# Altium PCB SPEC-A7.PcbDoc (part 8 of 10) (continued)
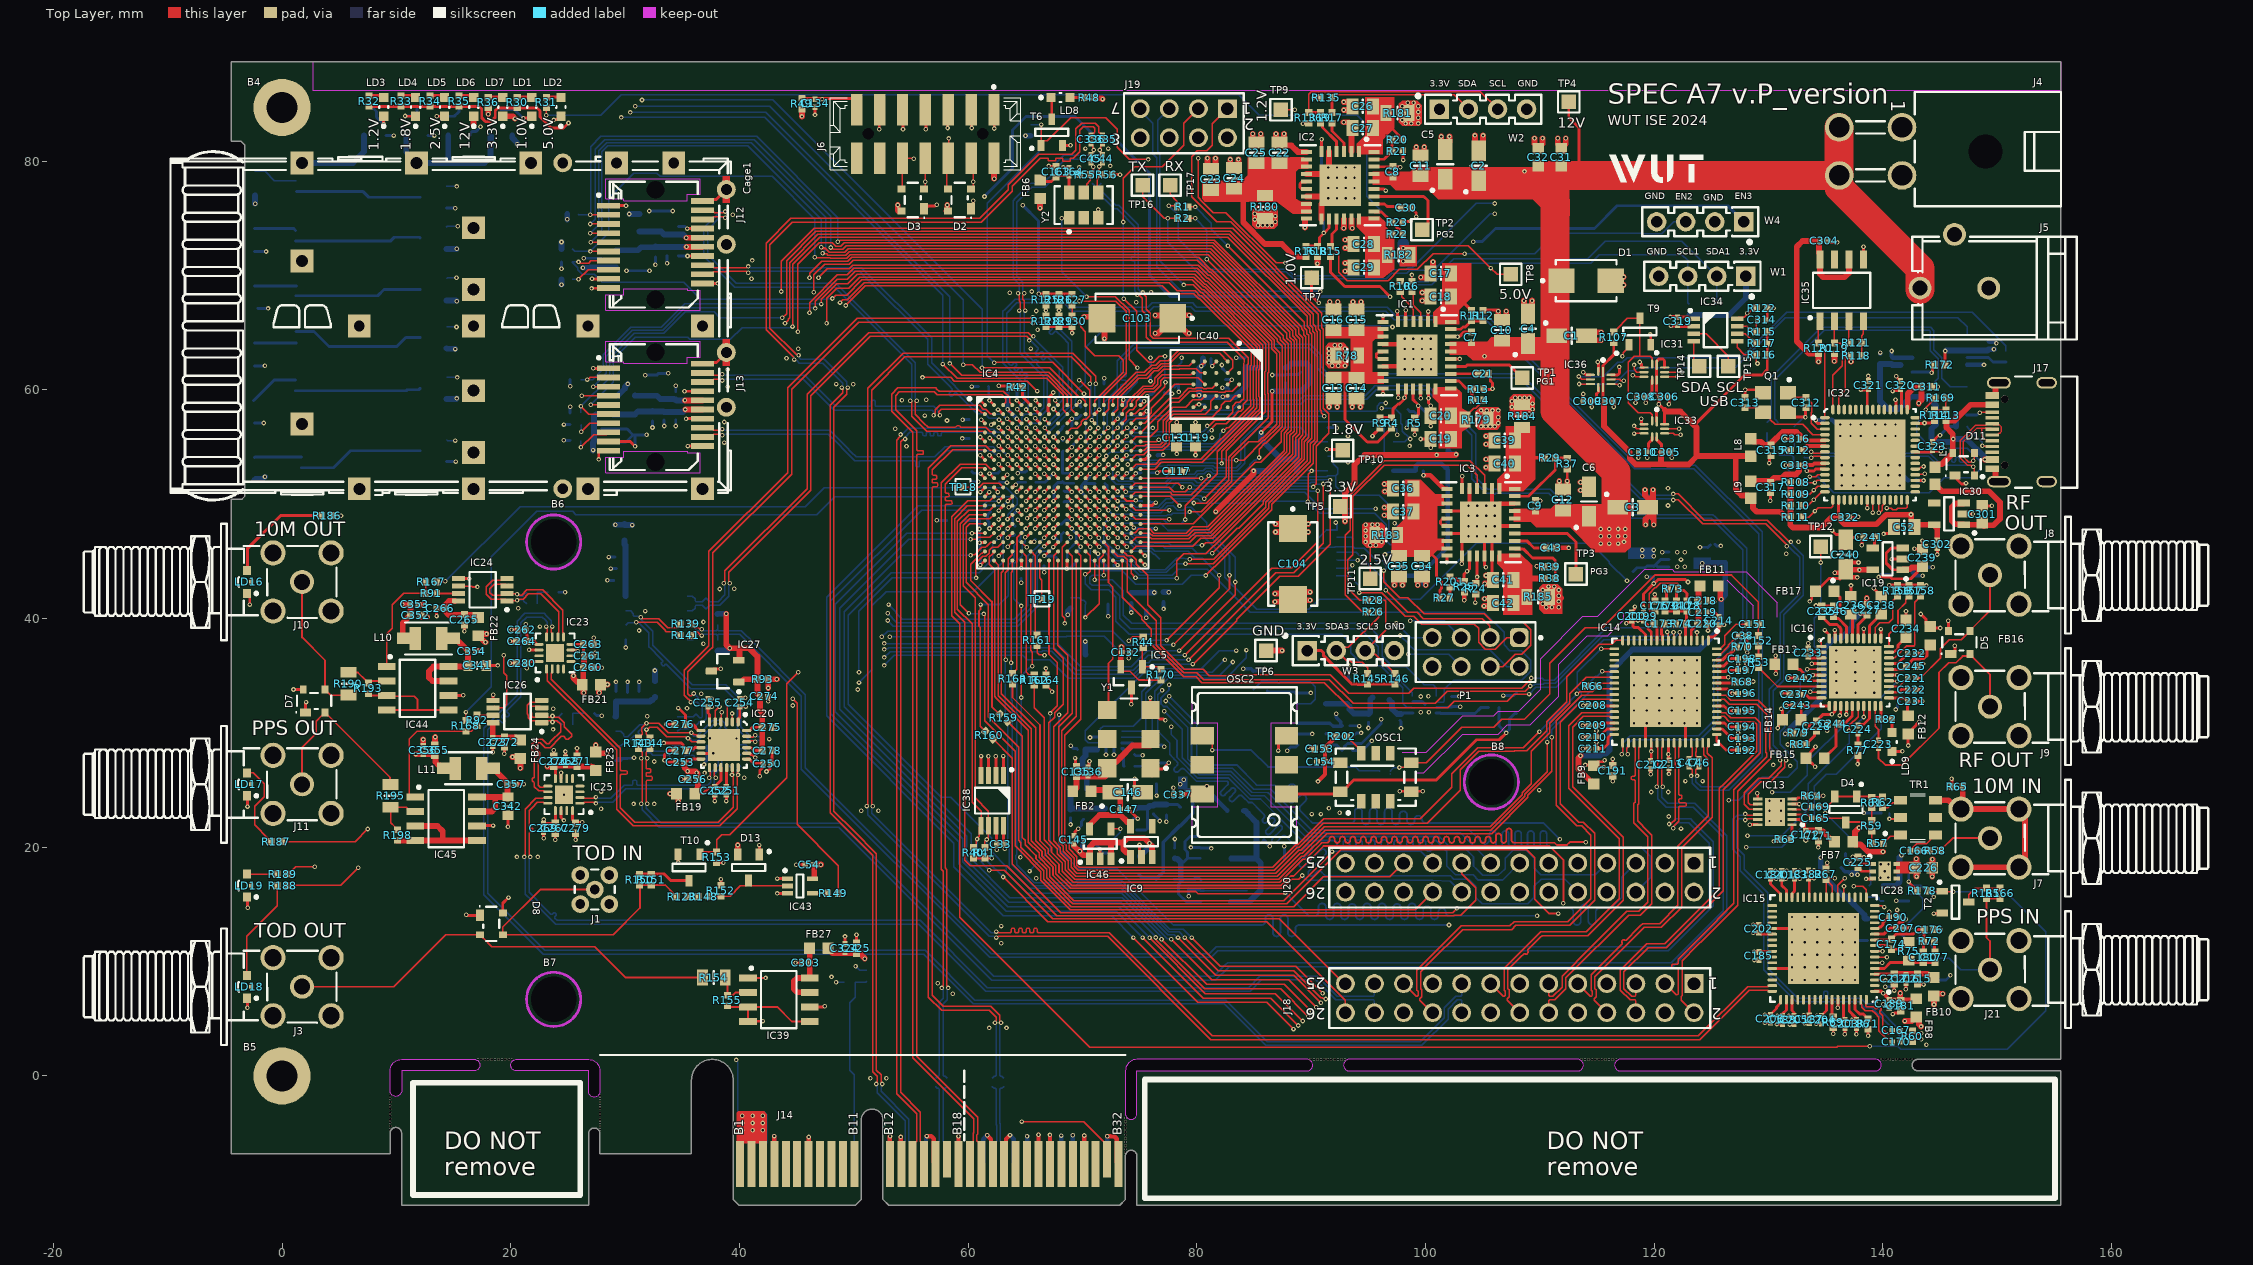
[diagram p0: Top Layer view]
## Nets (pads, with @x,y where several pads share a name; then routed paths per layer and width w, separated by ;. In a path a pad name is that pad's centre, name@x,y a point inside that pad or via, vN(x,y) a via of type N, cw(c..) or ccw(c..) an arc to the next point about the centre after c; other vN are vias at no path point) (continued)
  Bottom Layer w0.127: v1(54.478,55.705) 54.53,55.757 54.53,55.915 54.908,56.293 55.562,56.293 55.953,56.293 56.027,56.219 56.027,56.037 56.093,55.971 56.289,55.971 56.354,56.037 56.354,56.228 56.42,56.293 56.616,56.293 56.681,56.228 56.681,56.037 56.747,55.971 56.943,55.971 57.008,56.037 57.008,56.228 57.074,56.293 57.27,56.293 57.335,56.228 57.335,56.047 57.401,55.982 57.597,55.982 57.662,56.047 57.662,56.219 57.737,56.293 58.163,56.293 61.602,56.293 61.689,56.206 62.111,56.206 62.354,55.963 62.453,55.963 62.488,55.928 62.612,55.928 v1(62.664,55.876)
PCIe_PER0_P: IC4.E4 J14.B14 | length 75.3
  Top Layer w0.127: v1(54.086,56.096) 54.034,56.044 54.034,55.886 53.757,55.609 53.757,-1.573 55.485,-3.3 55.485,-5.715 55.15,-6.05 J14.B14@55.15,-7.7 ; v1(63.464,55.876) IC4.E4@63.864,55.476
  Bottom Layer w0.127: v1(54.086,56.096) 54.138,56.149 54.297,56.149 54.771,56.623 61.739,56.623 61.826,56.536 62.248,56.536 62.491,56.293 62.978,56.293 63.395,55.876 v1(63.464,55.876)
PCIe_PER1_N: IC4.A3 J14.B20 | length 82
  Top Layer w0.127: J14.B20@61.15,-7.7 61.15,-6.05 60.759,-5.659 60.759,-5.152 60.815,-5.097 60.815,-3.592 55.494,1.73 55.494,53.9 55.494,54.291 55.568,54.365 56.012,54.365 56.077,54.43 56.077,54.627 56.012,54.692 55.568,54.692 55.494,54.766 55.494,55.8 55.494,56.426 53.65,58.27 53.65,59.5 53.99,59.841 57.038,59.841 57.313,59.566 62.935,59.566 63.299,59.203 63.299,58.911 IC4.A3@63.064,58.676
PCIe_PER1_P: IC4.A4 J14.B19 | length 82.1
  Top Layer w0.127: J14.B19@60.15,-7.7 60.429,-7.421 60.429,-5.016 60.485,-4.96 60.485,-3.728 55.164,1.593 55.164,56.289 53.32,58.133 53.32,59.637 53.854,60.171 57.175,60.171 57.272,60.074 57.45,59.896 63.072,59.896 63.629,59.34 63.629,58.911 IC4.A4@63.864,58.676
PCIe_PET0_N: C51.2 J14.A17 | length 7.1
  Bottom Layer w0.127: J14.A17@58.15,-7.7 58.15,-6.05 57.815,-5.715 57.815,-4.544 57.818,-4.541 57.818,-1.165 57.892,-1.091 57.999,-1.091 58.161,-0.93 C51.2@58.161,-0.906
PCIe_PET0_P: C49.2 J14.A16 | length 7.1
  Bottom Layer w0.127: C49.2@57.145,-0.906 57.145,-0.93 57.306,-1.091 57.413,-1.091 57.488,-1.165 57.488,-4.404 57.485,-4.407 57.485,-5.715 57.15,-6.05 J14.A16@57.15,-7.7
PCIe_PET1_N: C55.2 J14.A22 | length 7.2
  Bottom Layer w0.127: C55.2@63.114,-0.906 63.114,-0.93 62.952,-1.091 62.845,-1.091 62.771,-1.165 62.771,-4.124 62.815,-4.168 62.815,-5.715 63.15,-6.049 J14.A22@63.15,-7.699
PCIe_PET1_P: C53.2 J14.A21 | length 7.2
  Bottom Layer w0.127: C53.2@62.098,-0.906 62.098,-0.93 62.259,-1.091 62.366,-1.091 62.441,-1.165 62.441,-4.261 62.485,-4.305 62.485,-5.715 62.15,-6.05 J14.A21@62.15,-7.7
PCIe_REFCLK_N: C336.1 J14.A14 | length 123.7
  Top Layer w0.127: v3@44.978,63.072 44.95,63.1 42.65,65.4 42.65,72.7 44.62,74.67 61.153,74.67 63.853,77.37 63.853,77.803 66.32,80.27 67.018,80.27 67.018,80.023 67.653,80.023 67.653,80.27 68.288,80.27 68.288,79.999 68.923,79.999 68.923,80.27 69.187,80.27 69.75,80.833 69.75,82.7 70.05,83 70.958,83 71.085,82.873 71.085,82.827 71.085,82.511 71.01,82.436 70.911,82.436 70.75,82.275 C336.1@70.75,82.25 ; v3(49.478,60.2) 49.478,60.198 49.38,60.1 49.38,59.63 48.25,58.5 48.25,23.167 49.983,21.433 51.98,19.437 51.98,0.522 52.38,0.122 52.38,-0.528 52.478,-0.626 v3(52.478,-0.7)
  Bottom Layer w0.127: v3(45.169,63.02) 45.222,62.967 45.222,62.828 45.376,62.674 47.433,62.674 49.38,60.727 49.38,60.372 49.478,60.274 v3(49.478,60.2) ; v3(52.478,-0.7) 52.478,-0.774 52.38,-0.872 52.38,-1.328 54.815,-3.763 54.815,-5.715 55.15,-6.05 J14.A14@55.15,-7.7
PCIe_REFCLK_P: C335.1 J14.A13 | length 123.8
  Top Layer w0.127: v3@44.745,62.838 42.32,65.263 42.32,72.837 44.483,75 61.016,75 63.523,77.507 63.523,77.94 66.183,80.6 69.05,80.6 69.42,80.97 69.42,82.837 69.913,83.33 71.094,83.33 71.415,83.01 71.415,82.691 71.415,82.511 71.489,82.436 71.588,82.436 71.75,82.275 C335.1@71.75,82.25 ; v3(48.951,60.2) 48.951,60.198 49.05,60.1 49.05,59.767 47.92,58.637 47.92,23.03 49.633,21.317 51.65,19.3 51.65,0.385 52.05,-0.015 52.05,-0.528 51.951,-0.626 v3(51.951,-0.7)
  Bottom Layer w0.127: v3(44.797,62.647) 44.849,62.595 44.988,62.595 45.239,62.344 47.297,62.344 49.05,60.591 49.05,60.372 48.951,60.274 v3(48.951,60.2) ; v3(51.951,-0.7) 51.951,-0.774 52.05,-0.872 52.05,-1.465 54.485,-3.9 54.485,-5.715 54.15,-6.05 J14.A13@54.15,-7.7
PCIe_RST: IC4.R6 R204.1 | length 49.6
  Top Layer w0.127: v1(64.638,33.099) 64.634,33.103 64.634,41.089 v1(64.648,41.104)
  Top Layer w0.254: v1(64.995,47.099) 65.023,47.127 65.109,47.127 65.458,47.476 IC4.R6@65.464,47.476
  L4 w0.127: v1(50.15,9.603) 50.224,9.603 50.443,9.823 51.172,9.823 51.65,10.3 56.95,10.3 64.638,17.988 64.638,18.908 64.621,18.925 64.621,19.066 v1(64.568,19.119)
  Bottom Layer w0.127: v1(50.15,9.603) 50.513,9.24 R204.1@51.15,9.24 ; v1(64.568,19.119) 64.621,19.171 64.621,19.312 64.638,19.33 v1(64.638,33.099) ; v1(64.648,41.104) 64.634,41.104 64.003,41.735 64.003,44.783 64.718,45.498 64.718,46.432 64.995,46.709 v1(64.995,47.099)
PCIe_RSTr: J14.A11 R104.2 R204.2 | length 17.3
  Bottom Layer w0.127: J14.A11@50.05,-7.7 50.05,0.118 49.649,0.519 49.649,6.4 50.122,6.872 R104.2@50.122,8.207 51.056,8.207 R204.2@51.15,8.3
PET0_N: C51.1 IC4.H1 | length 58.1
  Top Layer w0.127: v1(58.25,7.7) 58.25,7.774 58.138,7.886 58.138,18.053 57.996,18.195 57.996,49.523 57.996,49.913 58.069,49.989 58.522,49.993 58.586,50.06 58.584,50.256 58.518,50.32 58.065,50.315 57.998,50.38 57.996,50.576 58.061,50.642 58.259,50.645 58.324,50.711 58.322,50.907 58.256,50.972 58.071,50.97 57.996,51.043 57.996,51.407 57.996,51.75 59.425,53.18 61.299,53.18 61.403,53.076 IC4.H1@61.464,53.076
  Bottom Layer w0.127: C51.1@58.161,-0.206 58.161,-0.181 57.999,-0.02 57.892,-0.02 57.818,0.055 57.818,6.324 58.157,6.663 58.157,7.533 58.25,7.626 v1(58.25,7.7)
PET0_P: C49.1 IC4.H2 | length 58
  Top Layer w0.127: v1(57.696,7.7) 57.696,7.774 57.808,7.886 57.808,17.916 57.665,18.058 57.665,51.887 59.289,53.51 61.546,53.51 61.938,53.118 62.221,53.118 IC4.H2@62.264,53.076
  Bottom Layer w0.127: C49.1@57.145,-0.206 57.145,-0.181 57.306,-0.02 57.413,-0.02 57.488,0.055 57.488,6.461 57.827,6.8 57.827,7.495 57.696,7.626 v1(57.696,7.7)
PET1_N: C55.1 IC4.F1 | length 65
  Top Layer w0.127: IC4.F1@61.464,54.676 61.403,54.676 61.299,54.78 58.633,54.78 56.857,53.004 56.857,52.7 56.857,52.589 56.931,52.515 57.174,52.515 57.239,52.45 57.239,52.254 57.174,52.188 56.923,52.188 56.857,52.123 56.857,51.927 56.923,51.861 57.279,51.861 57.344,51.796 57.344,51.6 57.279,51.534 56.931,51.534 56.857,51.46 56.857,51.069 56.857,7.041 57.818,6.081 61.981,6.081 62.771,5.29 62.771,4.823 62.869,4.725 v1(62.869,4.651)
  Bottom Layer w0.127: v1@62.771,4.478 62.771,0.055 62.845,-0.02 62.952,-0.02 63.114,-0.181 C55.1@63.114,-0.206
PET1_P: C53.1 IC4.F2 | length 65
  Top Layer w0.127: IC4.F2@62.264,54.676 62.221,54.718 61.938,54.718 61.546,55.11 58.496,55.11 56.527,53.141 56.527,6.904 57.681,5.751 61.844,5.751 62.441,5.154 62.441,4.823 62.342,4.725 v1(62.342,4.651)
  Bottom Layer w0.127: C53.1@62.098,-0.206 62.098,-0.181 62.259,-0.02 62.366,-0.02 62.441,0.055 v1@62.441,4.478
PG1: IC1.26 TP1.1 | length 6.8
  Top Layer w0.254: IC1.26@102.203,62.054 103.524,62.054 103.644,62.174 107.318,62.174 TP1.1@108.453,61.039
PG2: IC2.26 TP2.1 | length 7.6
  Top Layer w0.254: IC2.26@95.499,76.915 99.832,76.915 100.198,76.549 100.198,74.517 TP2.1@99.69,74.009
PG3: IC3.26 TP3.1 | length 8.5
  Top Layer w0.254: IC3.26@107.791,47.449 112.391,47.449 113.152,46.688 TP3.1@113.152,43.894
PLL_CS: IC4.V9 IC14.17 | length 88.6
  Top Layer w0.127: IC4.V9@67.864,45.076 67.816,45.028 67.816,37.677 68.702,36.791 68.702,31.776 67.461,30.535 67.461,20.57 68.057,19.974 68.057,19.534 68.749,18.842 68.749,18.127 69.403,17.473 87.044,17.473 89.044,19.473 89.215,19.473 91.242,21.5 105.707,21.5 108.69,24.482 108.69,24.651 110.65,26.611 v1(110.65,29.2) ; v1(115.353,37.359) IC14.17@116.508,37.358
  Bottom Layer w0.127: v1(110.65,29.2) 110.65,30.268 113.626,33.244 113.626,33.576 113.282,33.92 113.282,35.288 v1(115.353,37.359)
PLL_LOCK: IC4.U16 IC14.3 | length 62.1
  Top Layer w0.127: IC4.U16@73.464,45.876 73.524,45.876 73.705,45.695 73.72,45.695 73.92,45.495 74.361,45.495 74.698,45.158 74.698,44.755 75.687,43.767 75.687,41.227 76.85,40.064 76.85,37.618 78.914,35.554 80.54,35.554 81.085,35.01 82.712,35.01 82.802,35.1 91.65,35.1 93.288,33.462 98.513,33.462 98.959,33.908 108.406,33.908 109.25,34.752 v1(109.25,34.8) ; IC14.3@123.734,38.083 v1(123.734,38.79)
  Bottom Layer w0.127: v1(109.25,34.8) 110.197,34.8 110.374,34.623 111.247,34.623 115.817,39.193 119.554,39.193 119.574,39.213 123.311,39.213 v1(123.734,38.79)
PLL_REFSEL: IC4.U15 IC14.7 | length 60.8
  Top Layer w0.127: IC4.U15@72.664,45.876 73.098,45.441 73.615,45.441 73.898,45.158 73.898,42.347 76.45,39.795 76.45,37.659 78.862,35.247 80.003,35.247 80.596,34.654 91.596,34.654 93.659,32.591 100.84,32.591 101.904,33.654 108.704,33.654 v1(109.15,34.1) ; v1@121.68,38.856 v1(121.68,38.802) 121.71,38.772 121.71,38.106 IC14.7@121.734,38.083
  Bottom Layer w0.127: v1(109.15,34.1) 109.202,34.152 109.443,34.152 109.532,34.242 110.306,34.242 110.392,34.327 111.332,34.327 115.437,38.432 121.31,38.432 v1(121.68,38.802)
PLL_RESET: IC4.U11 IC14.23 IC14.24 R66.2 | length 84.7
  Top Layer w0.127: IC4.U11@69.464,45.876 69.835,45.504 69.835,43.886 69.826,43.877 69.826,43.553 69.835,43.544 69.835,31.184 68.457,29.806 68.457,20.651 68.819,20.29 68.819,19.85 69.511,19.158 69.511,18.442 69.718,18.235 86.656,18.235 88.656,20.235 88.839,20.235 91.104,22.5 99.55,22.5 102.3,25.25 102.3,26.45 104.55,28.7 108.557,28.7 v1(109.953,30.097) ; v1(113.235,33.415) 113.309,33.415 113.479,33.585 114.497,33.585 114.588,33.585 114.973,33.971 R66.2@115.181,33.971 ; IC14.24@116.509,33.858 115.294,33.858 R66.2@115.181,33.971 ; IC14.23@116.509,34.358 115.32,34.358 115.068,34.106 R66.2@115.068,34.086 115.068,34.084 R66.2@115.181,33.971
  Bottom Layer w0.127: v1(109.953,30.097) 113.235,33.378 v1(113.235,33.415)
PLL_SCLK: IC4.V11 IC14.16 | length 86.9
  Top Layer w0.127: IC4.V11@69.464,45.076 69.464,31.448 68.192,30.176 68.192,20.557 68.565,20.184 68.565,19.745 69.257,19.053 69.257,18.337 69.613,17.981 86.761,17.981 88.761,19.981 88.944,19.981 91.063,22.1 100.15,22.1 103.05,25 103.05,26.798 104.637,28.386 107.736,28.386 107.796,28.446 108.055,28.446 108.855,28.446 110.604,30.195 110.604,30.995 112.35,32.741 112.35,34.908 115.191,37.749 116.299,37.749 116.632,38.083 IC14.16@117.234,38.083
PLL_SDI: IC4.U10 IC14.22 | length 86.3
  Top Layer w0.127: IC4.U10@68.664,45.876 69.083,45.457 69.083,40.509 69.092,40.499 69.092,40.176 69.083,40.166 69.083,31.702 67.918,30.537 67.918,20.472 68.311,20.079 68.311,19.639 69.003,18.948 69.003,18.232 69.508,17.727 86.899,17.727 88.9,19.727 89.064,19.727 91.137,21.8 105.648,21.8 108.436,24.588 108.436,24.756 109.25,25.571 109.25,28.395 110.858,30.003 110.858,30.846 112.604,32.592 112.604,33.431 114.03,34.858 IC14.22@116.509,34.858
PLL_SDO: IC4.U9 IC14.21 | length 88.1
  Top Layer w0.127: IC4.U9@67.864,45.876 67.498,45.51 67.498,37.35 68.321,36.528 68.321,32.523 67.559,31.762 67.559,31.376 67.054,30.871 67.054,20.617 67.803,19.869 67.803,19.429 68.495,18.737 68.495,18.021 69.297,17.219 87.149,17.219 89.149,19.219 89.362,19.219 91.343,21.2 105.766,21.2 108.944,24.377 108.944,24.546 111.04,26.643 v1(111.04,29.633) ; v1(115.45,35.4) 115.492,35.358 IC14.21@116.509,35.358
  Bottom Layer w0.127: v1(111.04,29.633) 111.04,30.275 114.475,33.71 114.475,34.549 114.875,34.948 114.998,34.948 v1(115.45,35.4)
PLL_STAT: IC4.V16 IC14.6 | length 60.4
  Top Layer w0.127: IC4.V16@73.464,45.076 73.481,45.058 73.481,41.851 75.169,40.163 75.169,39.922 76.007,39.085 76.007,37.743 78.855,34.895 79.932,34.895 80.428,34.4 91.15,34.4 93.35,32.2 101.932,32.2 102.507,32.775 107.125,32.775 107.75,33.4 v1(109.05,33.4) ; IC14.6@122.234,38.083 v1(122.234,38.798)
  Bottom Layer w0.127: v1(109.05,33.4) 109.637,33.988 111.429,33.988 115.601,38.159 121.594,38.159 v1(122.234,38.798)
PLL_SYNC: IC4.P16 IC14.8 | length 60.2
  Top Layer w0.127: v1(121.126,38.823) 121.126,38.749 121.21,38.664 121.21,38.106 IC14.8@121.234,38.083
  Top Layer w0.254: IC4.P16@73.464,48.276 v1(73.864,47.876)
  L3 w0.127: v1(117.616,43.3) 118.324,43.3 118.744,42.88 118.905,42.88 119.109,42.675 120.117,42.675 120.143,42.7 120.568,42.7 121.126,42.143 v1(121.126,38.823)
  Bottom Layer w0.127: v1(73.864,47.876) 73.938,47.876 74.101,47.712 74.148,47.712 74.56,47.3 80.449,47.3 82.45,45.3 82.45,43.6 82.959,43.091 82.959,43.038 83.188,42.81 83.24,42.81 85.25,40.8 89.797,40.8 90.697,41.7 99.55,41.7 102.768,44.918 102.768,44.945 102.996,45.174 103.024,45.174 104.42,46.57 114.48,46.57 116.072,44.978 116.072,44.844 v1(117.616,43.3)
PPS_IN: IC4.P3 R84.2 | length 103.9
  Top Layer w0.254: v1(62.664,47.876) IC4.P3@63.064,48.276
  L3 w0.152: v1(109.95,25) 111.25,23.7 116.55,23.7 118.75,25.9 121.35,25.9 121.95,25.3 132.45,25.3 134.3,23.45 134.5,23.45 v1(134.95,23)
  L4 w0.152: v1(62.664,47.876) 62.25,47.462 62.25,44.2 62.65,43.8 62.65,38.512 65.036,36.125 65.036,35.138 66.644,33.531 66.644,33.476 68.563,31.557 68.563,30.981 70.641,28.903 75.247,28.903 76.05,28.1 76.05,25.6 77.25,24.4 88.55,24.4 89.15,25 94.55,25 96.85,22.7 107.65,22.7 v1(109.95,25)
  Bottom Layer w0.152: v1(134.95,23) 137.137,20.812 137.55,20.812 138.85,19.512 138.85,17.47 138.922,17.398 138.922,16.768 R84.2@138.815,16.66
PPS_OUT_SE: IC4.M4 R168.1 | length 64.7
  Top Layer w0.127: R168.1@16.07,31.089 16.07,31.817 v1(16.074,31.822) ; v1(63.545,49.731) 63.597,49.783 63.711,49.783 63.803,49.876 IC4.M4@63.864,49.876
  Bottom Layer w0.127: v1(16.074,31.822) 18.275,34.022 18.275,45.425 22.25,49.4 25.4,49.4 25.7,49.1 46.75,49.1 48.32,50.671 63.751,50.671 63.858,50.564 63.906,50.515 63.906,50.019 63.618,49.731 v1(63.545,49.731)
PRSNT: J14.A1 J14.B31 | length 45.6
  Top Layer w0.127: v1(64.672,-3.985) 70.087,-3.985 72.15,-6.048 J14.B31@72.15,-7.298
  L3 w0.127: v1(39.705,1.4) 59.287,1.4 v1(64.672,-3.985)
  Bottom Layer w0.127: v1(39.705,1.4) 39.705,1.326 39.841,1.19 39.841,-4.868 39.85,-4.877 39.85,-4.896 40.05,-5.096 J14.A1@40.05,-7.3
PWR_SCL1: R8.1 R10.1 W1.3 | length 32
  Top Layer w0.127: v1(97.05,69.3) 97.575,69.3 R10.1@97.785,69.51
  Bottom Layer w0.127: v1(97.05,69.3) 98.54,69.3 98.654,69.187 100.555,69.187 102.44,71.072 114.422,71.072 115.184,71.834 122.423,71.834 122.931,71.326 W1.3@122.931,69.929 122.931,67.605 R8.1@123.058,67.478
PWR_SCL2: R19.1 R136.1 W2.3 | length 19.8
  Top Layer w0.127: R136.1@89.784,84.258 89.784,85.835 90.021,86.072 102.591,86.072 102.599,86.064 104.8,86.064 106.294,84.57 W2.3@106.294,84.55
  Top Layer w0.254: R136.1@89.784,84.258 R19.1@90.8,84.258
PWR_SCL3: R28.1 R146.1 W3.3 | length 9.2
  Top Layer w0.127: R28.1@95.887,41.608 96.442,41.608 96.517,41.533 96.517,38.987 W3.3@94.73,37.2 95.031,36.899 95.611,36.899 97.083,35.427 97.113,35.427 R146.1@97.34,35.201
PWR_SDA1: R6.1 R7.1 W1.2 | length 32.9
  Top Layer w0.127: R6.1@98.801,69.51 98.803,69.512 v1(98.803,70.054)
  Bottom Layer w0.127: v1(98.803,70.054) 98.803,69.739 99.095,69.446 100.223,69.446 100.969,70.192 101.201,70.192 102.475,71.466 114.181,71.466 115.692,72.977 122.423,72.977 W1.2@125.471,69.929 125.471,67.605 R7.1@125.344,67.478
PWR_SDA2: R17.1 R135.1 W2.2 | length 13.9
  Top Layer w0.127: R135.1@91.778,85.566 91.778,85.586 92.004,85.812 92.073,85.812 92.079,85.818 102.485,85.818 W2.2@103.754,84.55
  Top Layer w0.254: R135.1@91.778,85.566 91.816,85.528 R17.1@91.816,84.258
PWR_SDA3: R26.1 R145.1 W3.2 | length 9.2
  Top Layer w0.127: R145.1@94.927,35.201 94.927,35.681 94.448,36.159 93.543,36.159 93.412,36.29 93.099,36.29 W3.2@92.19,37.2 92.47,37.481 93.23,37.481 95.887,40.137 R26.1@95.887,40.592
QSPI_CS: IC4.L15 IC6.1 IC17.10 R45.2 | length 33.3
  Top Layer w0.127: v1(89.705,50.234) 89.743,50.273 89.743,52.626 v1(90.028,52.911)
  Top Layer w0.254: IC4.L15@72.664,50.676 v1(73.064,50.276)
  Bottom Layer w0.127: v1(73.064,50.276) 74.131,50.276 74.246,50.16 74.246,50.157 74.651,49.752 76.608,49.752 76.791,49.935 76.791,49.952 77.337,50.498 80.074,50.498 80.475,50.096 84.955,50.096 85.099,50.241 89.698,50.241 v1(89.705,50.234) 90.739,49.2 95.55,49.2 96.54,48.209 96.54,46.809 96.9,46.45 IC17.10@98.05,46.45 ; R45.2@89.704,52.912 v1(90.028,52.911) v1(90.028,52.911) ; v1(90.028,52.911) IC6.1@91.464,52.912
QSPI_DQ0: IC4.K16 IC6.5 IC17.3 | length 38.2
  Top Layer w0.254: IC4.K16@73.464,51.476 73.464,51.45 73.785,51.129 v1(73.785,51.096)
  L4 w0.127: v3(94.05,45.1) 94.05,48.1 95.592,49.642 v1@95.626,49.676 ; v1(95.626,49.609) 95.659,49.642 95.976,49.959 95.976,52.141 96.529,52.694 96.529,55.08 v1(97.531,56.081)
  Bottom Layer w0.127: v1(73.785,51.096) 73.805,51.076 80.359,51.076 80.361,51.073 80.603,51.073 80.616,51.06 89.431,51.06 90.882,49.609 v1(95.626,49.609) ; IC17.3@92.25,45.15 92.3,45.1 v3(94.05,45.1) ; IC6.5@97.164,56.722 97.317,56.722 97.479,56.56 97.479,56.134 v1(97.531,56.081)
QSPI_DQ1: IC4.L17 IC6.2 IC17.9 | length 31.4
  Top Layer w0.127: IC4.L17@74.264,50.676 74.629,51.041 77.652,51.041 77.858,50.835 79.507,50.835 80.969,52.297 80.969,52.428 v1(81.021,52.48)
  Bottom Layer w0.127: v1(81.021,52.48) 81.073,52.428 81.207,52.428 81.232,52.403 89.783,52.403 89.792,52.411 91.352,52.411 91.437,52.496 92.163,52.496 ; IC6.2@91.464,54.182 91.764,54.182 91.925,54.02 91.925,53.538 92.324,53.139 92.324,52.657 92.163,52.496 ; IC17.9@98.05,47.1 97.15,47.1 96.795,47.455 96.795,49.955 95.95,50.8 92.95,50.8 92.163,51.586 92.163,52.496
QSPI_DQ2: IC4.J15 IC6.3 R46.2 | length 23.2
  Top Layer w0.254: IC4.J15@72.664,52.276 v1(73.081,52.693)
  Bottom Layer w0.127: v1(73.081,52.693) 73.081,52.658 73.464,52.276 74.702,52.276 74.724,52.253 77.232,52.253 77.611,52.632 79.748,52.632 80.027,52.911 80.54,52.911 80.754,53.124 81.288,53.124 81.492,52.92 83.548,52.92 84.199,53.571 84.199,55.455 85.166,56.421 85.166,56.456 85.426,56.716 89.026,56.716 89.704,56.039 R46.2@89.704,55.452 IC6.3@91.464,55.452
QSPI_DQ3: IC4.J16 IC6.7 R47.2 | length 32.2
  Top Layer w0.254: IC4.J16@73.464,52.276 73.464,52.284 73.864,52.684 v1(73.864,52.693)
  Bottom Layer w0.127: v1(73.864,52.693) 73.938,52.693 74.045,52.801 74.054,52.801 74.418,53.165 74.634,53.165 74.848,53.378 75.326,53.378 75.348,53.356 75.415,53.356 75.442,53.33 77.369,53.33 77.453,53.413 79.38,53.413 79.414,53.378 81.393,53.378 81.597,53.174 83.443,53.174 83.838,53.57 83.838,55.487 85.58,57.229 96.007,57.229 96.388,56.848 96.388,54.256 96.462,54.182 IC6.7@97.164,54.182 98.294,54.182 98.42,54.308 R47.2@99.432,54.309
RESET: IC4.K15 J19.1 | length 59.3
  Top Layer w0.127: J19.1@82.672,84.585 81.35,83.263 81.35,81.4 80.85,80.9 80.05,80.9 79.55,80.4 79.55,76.9 81.75,74.7 82.944,74.7 90.927,66.717 90.927,65.411 91.052,65.285 91.052,58.38 91.54,57.892 91.54,56.185 90.419,55.063 90.419,51.811 90.165,51.557 v1(90.165,51.513)
  Top Layer w0.254: IC4.K15@72.664,51.476 72.681,51.476 73.046,51.111 v1(73.064,51.111)
  Bottom Layer w0.127: v1(73.064,51.111) 73.099,51.111 73.502,51.514 74.036,51.514 74.22,51.33 77.662,51.33 78.202,51.87 79.565,51.87 79.829,51.606 80.546,51.606 80.571,51.581 89.821,51.581 89.838,51.565 90.113,51.565 v1(90.165,51.513)
RESV_I: IC4.H18 J19.5 | length 43.2
  Top Layer w0.127: IC4.H18@75.064,53.076 76.316,53.076 76.9,53.66 80.465,53.66 84.157,57.353 84.164,57.353 84.825,58.013 84.825,58.02 85.222,58.418 85.222,59.243 85.177,59.288 85.177,61.883 85.258,61.963 85.258,63.71 80.479,68.489 80.373,68.489 79.686,69.176 v1(78.862,69.176)
  Bottom Layer w0.127: J19.5@77.592,84.585 76.576,83.569 76.576,80.874 76.75,80.7 76.75,80.2 76.75,71.288 v1(78.862,69.176)
RESV_O: IC4.F15 J19.7 | length 70.6
  Top Layer w0.254: IC4.F15@72.664,54.676 72.664,54.696 73.06,55.092 v1(73.06,55.113)
  L4 w0.127: v1(90.8,68.605) 94.791,68.605 96.669,66.727 96.669,59.463 96.515,59.309 96.515,58.858 v1(96.521,58.852)
  Bottom Layer w0.127: v1(73.06,55.113) 73.417,55.469 74.398,55.469 74.798,55.07 77.092,55.07 77.117,55.045 81.634,55.045 84.697,58.108 95.685,58.108 95.759,58.183 95.759,58.562 96.049,58.852 v1(96.521,58.852) ; J19.7@75.05,84.7 75.05,84.4 76.15,83.3 76.15,80.65 76.496,80.304 76.496,70.771 78.735,68.532 84.694,68.532 84.767,68.605 v1(90.8,68.605)
RGMII_RX_CLK: J20.3 R163.2 | length 82.8
  Top Layer w0.155: R163.2@63.876,34.28 63.876,33.099 66.282,30.692 66.282,20.565 67.003,19.844 67.003,19.451 67.945,18.509 67.945,17.794 69.07,16.669 87.377,16.669 88.2,17.492 88.463,17.492 91.073,20.101 110.848,20.101 112.05,18.9 v1(112.05,15.1)
  L4 w0.105: v1(112.05,15.1) 112.124,15.1 112.224,15 112.52,15 112.977,15 cw(c112.977,14.798) 113.18,14.798 113.18,14.59 ccw(c113.382,14.59) 113.382,14.388 ccw(c113.382,14.59) 113.585,14.59 113.585,14.9 cw(c113.787,14.9) 113.787,15.102 cw(c113.787,14.9) 113.99,14.9 113.99,14.59 ccw(c114.192,14.59) 114.192,14.388 ccw(c114.192,14.59) 114.395,14.59 114.395,14.9 cw(c114.597,14.9) 114.597,15.102 cw(c114.598,14.9) 114.8,14.9 114.8,14.736 ccw(c115.002,14.736) 115.002,14.533 ccw(c115.003,14.736) 115.205,14.736 115.205,14.798 cw(c115.407,14.798) 115.407,15 116.637,15 119.35,15 119.915,15.566 119.915,17.605 J20.3@120.931,18.621
RGMII_RX_DV: J20.2 R159.2 | length 79.8
  Top Layer w0.155: R159.2@63.446,30.988 64.727,29.707 64.727,20.855 64.984,20.598 64.984,20.215 65.931,19.269 65.931,19.007 66.873,18.065 66.873,17.327 69.132,15.068 87.871,15.068 92.597,19.793 108.856,19.793 109.55,19.1 109.55,15.45 110.8,14.2 v1(111.6,14.2)
  L4 w0.105: v1(111.6,14.2) 111.644,14.156 117.456,14.156 117.9,14.6 120.886,14.6 122.367,16.081 J20.2@123.471,16.081
RGMII_RXD0: J20.5 R160.2 | length 76.1
  Top Layer w0.155: R160.2@62.176,29.464 63.846,27.794 63.846,18.534 68.103,14.278 102.366,14.278 v1(102.738,14.65)
  Bottom Layer w0.155: v1(102.738,14.65) 102.763,14.675 111.859,14.675 112.591,14.675 cw(c112.591,14.348) 112.919,14.348 112.919,13.526 ccw(c113.246,13.526) 113.574,13.526 113.574,14.672 cw(c113.901,14.672) 114.229,14.672 114.229,13.555 ccw(c114.556,13.555) 114.884,13.555 114.884,14.348 cw(c115.211,14.348) 115.211,14.675 116.224,14.675 116.417,14.869 117.159,15.61 117.159,17.389 J20.5@118.391,18.621
RGMII_RXD1: J20.6 R161.2 | length 86.5
  Top Layer w0.155: R161.2@66.035,37.62 66.035,37.014 66.218,36.83 66.641,36.83 v1(66.672,36.799)
  L4 w0.105: v1(66.672,36.799) 66.741,36.799 66.963,36.577 67.428,36.112 cw(c67.214,35.898) 67.428,35.684 66.948,35.203 ccw(c67.162,34.99) 66.948,34.776 ccw(c67.162,34.99) 67.376,34.776 68.166,35.566 cw(c68.38,35.352) 68.594,35.566 cw(c68.38,35.352) 68.594,35.138 67.803,34.348 ccw(c68.017,34.134) 67.803,33.92 ccw(c68.017,34.134) 68.231,33.92 69.022,34.71 cw(c69.236,34.497) 69.449,34.71 cw(c69.236,34.497) 69.449,34.283 68.786,33.619 ccw(c69,33.405) 68.786,33.191 ccw(c69,33.405) 69.214,33.191 69.567,33.545 cw(c69.781,33.331) 69.995,33.545 70.372,33.167 70.566,32.974 75.305,32.974 75.648,32.631 76.622,32.631 76.796,32.805 77.263,32.805 v1(77.276,32.792)
  Bottom Layer w0.155: v1(77.276,32.792) 77.322,32.745 77.451,32.745 79.528,30.668 79.528,27.797 80.409,26.917 83.111,26.917 84.884,25.144 84.928,25.1 86.387,25.072 86.45,25.07 86.494,25.026 89.986,21.534 103.796,21.534 105.097,20.329 105.175,20.257 ccw(c105.117,20.727) 105.591,20.726 105.591,21.156 cw(c105.869,21.156) 106.146,21.156 106.146,20.115 ccw(c106.424,20.115) 106.701,20.115 106.701,21.156 cw(c106.979,21.156) 107.256,21.156 107.256,20.319 ccw(c107.534,20.319) 107.811,20.319 107.811,21.156 cw(c108.089,21.156) 108.366,21.156 108.366,20.319 ccw(c108.644,20.319) 108.921,20.319 108.921,21.156 cw(c109.199,21.156) 109.476,21.156 109.476,20.115 ccw(c109.754,20.115) 110.031,20.115 110.031,21.156 cw(c110.309,21.156) 110.586,21.156 110.586,20.319 ccw(c110.864,20.319) 110.864,20.041 111.448,20.041 118.83,20.041 119.65,19.221 119.65,17.34 J20.6@118.391,16.081
RGMII_RXD2: J20.7 R164.2 | length 77.6
  Top Layer w0.155: R164.2@66.797,34.153 66.817,34.153 67.335,33.634 v1(67.335,33.596)
  L4 w0.105: v1(67.335,33.596) 67.388,33.544 67.388,33.357 68.845,31.9 69.316,31.9 69.369,31.9 ccw(c69.369,32.152) 69.621,32.152 69.621,32.197 cw(c69.874,32.197) 69.874,32.45 cw(c69.874,32.197) 70.126,32.197 70.126,30.991 ccw(c70.379,30.991) 70.379,30.738 ccw(c70.379,30.991) 70.631,30.991 70.631,32.197 cw(c70.884,32.197) 70.884,32.45 cw(c70.884,32.197) 71.136,32.197 71.136,30.991 ccw(c71.389,30.991) 71.389,30.738 ccw(c71.389,30.991) 71.641,30.991 71.641,32.197 cw(c71.894,32.197) 71.894,32.45 cw(c71.894,32.197) 72.146,32.197 72.146,30.991 ccw(c72.399,30.991) 72.399,30.738 ccw(c72.399,30.991) 72.651,30.991 72.651,32.197 cw(c72.904,32.197) 72.904,32.45 cw(c72.904,32.197) 73.156,32.197 73.156,30.991 ccw(c73.409,30.991) 73.409,30.738 ccw(c73.409,30.991) 73.661,30.991 73.661,31.868 cw(c73.914,31.868) 73.914,32.12 cw(c73.914,31.868) 74.166,31.868 74.166,30.991 ccw(c74.419,30.991) 74.419,30.738 ccw(c74.419,30.991) 74.671,30.991 74.671,32.197 cw(c74.924,32.197) 74.924,32.45 cw(c74.924,32.197) 75.176,32.197 75.176,31.335 ccw(c75.429,31.335) 75.429,31.082 ccw(c75.429,31.335) 75.681,31.335 75.681,31.648 cw(c75.934,31.648) 75.934,31.9 77.05,31.9 77.139,31.9 v1(77.149,31.89)
  Bottom Layer w0.155: v1@77.154,31.89 78.716,30.328 78.716,27.811 80.19,26.338 82.892,26.338 84.66,24.57 84.704,24.526 85.851,24.5 85.913,24.499 85.957,24.455 89.474,20.938 101.212,20.938 102.259,19.891 103.458,19.891 104.191,19.157 104.191,18.358 104.523,18.027 ; 104.525,18.025 105.005,17.545 106.334,17.545 106.912,18.056 106.915,18.059 106.961,18.105 106.961,19.044 107.676,19.759 108.769,19.759 109.501,19.028 109.501,18.153 110.062,17.591 114.821,17.591 J20.7@115.851,18.621